# Allegro board RK_EVB7_RK3588_LP4XD200P232SD8_V11_20230111YWQ.brd (continued)
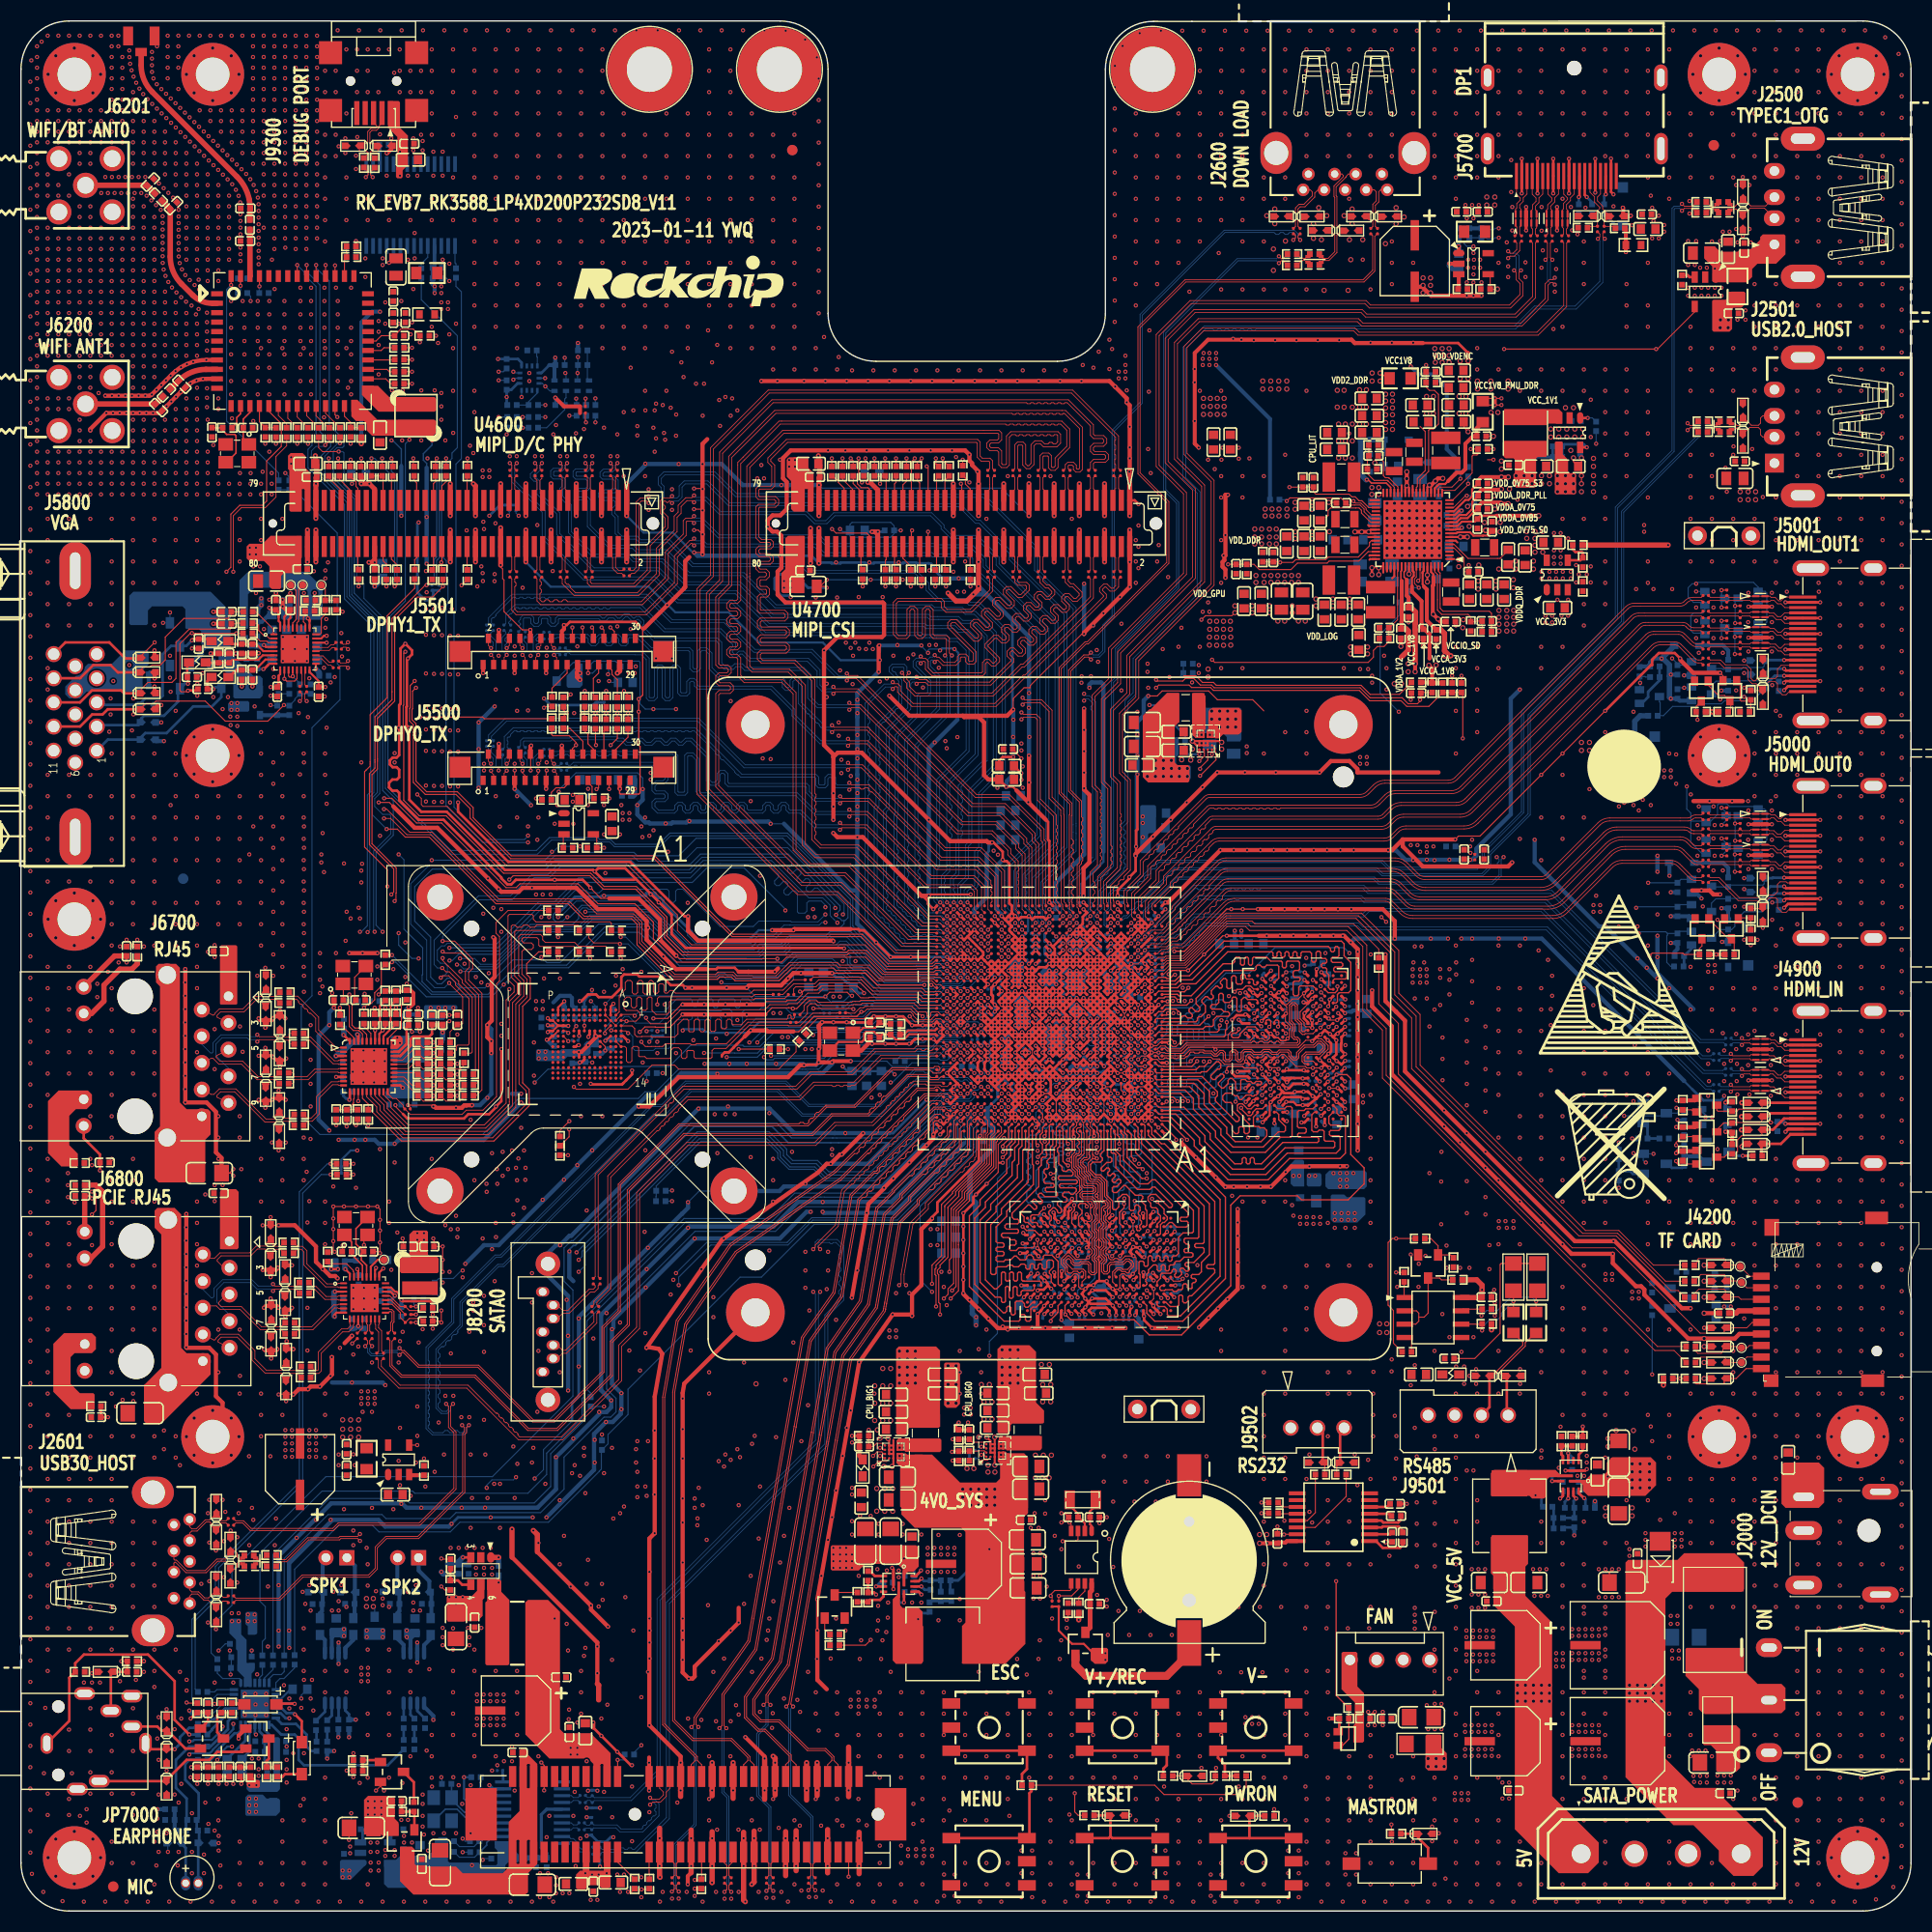
[diagram p0: board, top side]
## Routing (per net, layer and track width the routed paths; a pad name or vN(x,y) marks a point on that pad's centre or on a via; arc(x,y) is an arc through that point) (continued)
DDR_CH0_CLKP_A: length 23.1
  TOP w0.102: U3800.J8 122.53,83.92 122.38,83.92 122.22,83.75 122.05,83.75 121.95,83.86 121.95,84.55 121.56,84.93 121.56,86.28 121.34,86.5 121.03,86.5 120.8,86.27 120.8,84.67 121.13,84.35 121.13,83.93 121.02,83.83 121.02,83.23 121.25,83.01 121.51,83.01 121.61,82.91 121.61,82.76 121.51,82.66 119.91,82.66 119.73,82.84 119.59,82.84 119.41,82.67 119.27,82.67 119.1,82.84 118.95,82.84 118.77,82.66 118.39,82.66 118.21,82.84 118,82.84 117.82,82.66 117.65,82.66 117.47,82.84 117.32,82.84 117.14,82.66 110.97,82.66 110.41,82.1 109.25,82.1 108.97,82.38 108.53,82.38 108.23,82.08 U1000.N2
DDR_CH0_CLKP_B: length 25.5
  TOP w0.102: U3800.P8 122.51,80.69 122.23,80.69 122,80.91 122,81.44 122.37,81.8 123.61,81.8 124,82.19 124,82.35 123.71,82.63 123.55,82.63 123.18,82.27 122.29,82.27 121.69,81.67 121.69,81.27 121.47,81.05 121.12,81.05 120.74,81.42 120.74,81.7 120.64,81.8 119.91,81.8 119.7,81.58 119.12,81.58 118.85,81.85 118.41,81.85 118.14,81.58 117.38,81.58 117.11,81.85 116.56,81.85 116.41,81.7 116.41,81.1 116.18,80.87 115.89,80.87 115.68,81.08 115.68,81.71 115.58,81.81 115.43,81.81 115.33,81.71 115.33,81.11 115.11,80.89 114.72,80.89 114.5,81.11 114.5,81.66 114.4,81.76 114.25,81.76 113.91,81.41 113.6,81.41 113.31,81.7 112.65,81.7 112.55,81.8 112.26,81.8 112.17,81.7 111.79,81.7 111.69,81.8 111.41,81.8 111.29,81.69 111.29,81.59 111.07,81.37 110.98,81.37 110.8,81.19 110.45,81.19 110.39,81.25 110.19,81.25 110.13,81.19 109.81,81.19 109.75,81.25 109.5,81.25 109.44,81.19 109.18,81.19 109.12,81.25 108.92,81.25 108.8,81.12 108.67,81.12 108.46,81.13 108.35,81.23 108.35,81.32 108.24,81.43 U1000.M2
DDR_CH0_DM0_A: length 13.8
  TOP w0.127: U1000.Y4 106.72,86.63 v1(107.04,86.3) ; v1(118.14,88.05) 118.29,88.05 U3800.C3
  L6-S2 w0.089: v1(107.04,86.3) 107.37,85.98 107.89,85.98 108.05,85.82
  L6-S2 w0.127: v1(118.14,88.05) 118.01,87.92 114.47,87.92 111.67,85.13 108.74,85.13 108.05,85.82
DDR_CH0_DM0_B: length 13.7
  TOP w0.127: U3800.Y3 118.24,76.41 117.64,76.41 117.3,76.06 117.3,75.93 117.12,75.76 116.84,75.76 116.21,76.39 v1(116.21,76.49) ; U1000.G4 v1(107.04,77.85)
  L6-S2 w0.089: v1(107.04,77.85) 107.38,78.19 107.85,78.19 108.05,77.99
  L6-S2 w0.127: v1(116.21,76.49) 115.09,76.49 114.1,77.49 112.57,77.49 112.17,77.89 108.15,77.89 108.05,77.99
DDR_CH0_DM1_A: length 25.3
  TOP w0.127: U1000.AB4 v1(107.04,88.25) ; U3800.C10 124.49,87.45 125.16,87.45 125.37,87.67 v1(125.37,88.05)
  L6-S2 w0.089: v1(107.04,88.25) 107.37,88.58 108.25,88.58 108.38,88.71
  L6-S2 w0.127: v1(125.37,88.05) 125.35,88.08 125.35,90.74 124.23,91.86 112.95,91.86 112.33,91.24 110.81,89.72 110.81,89.58 109.93,88.71 108.38,88.71
DDR_CH0_DM1_B: length 22.5
  TOP w0.127: U1000.E4 106.58,76.74 v1(106.39,76.55) ; U3800.Y10 123.82,76.39 v1(123.8,76.39)
  L6-S2 w0.089: v1(106.39,76.55) 107.37,75.58 108.13,75.58 108.15,75.55
  L6-S2 w0.127: 108.15,75.55 109.71,74 111.23,74 111.94,73.29 122.43,73.29 123.72,74.59 123.72,74.97 124.23,75.48 124.23,76.11 123.98,76.36 123.82,76.36 v1(123.8,76.39)
DDR_CH0_DQ0_A: length 18
  TOP w0.127: U3800.B2 117.77,88.32 117.65,88.21 117.47,88.21 117.37,88.31 117.37,88.63 117.25,88.76 116.74,88.76 116.61,88.89 116.61,89.07 116.48,89.19 116.31,89.19 116.18,89.07 116.18,88.74 116.33,88.59 116.33,88.41 116.2,88.28 115.85,88.28 115.72,88.41 115.72,88.94 115.6,89.07 115.42,89.07 115.29,88.94 115.29,87.98 115.16,87.85 114.96,87.85 114.83,87.98 114.83,88.68 114.71,88.8 114.53,88.8 114.23,88.51 114.23,88.35 114.41,88.17 114.41,88.01 114.3,87.9 114.14,87.9 113.96,88.08 113.8,88.08 113.37,87.64 113.37,87.34 113.55,87.16 113.55,86.98 113.42,86.85 113.22,86.85 112.98,87.08 112.8,87.08 112.47,86.74 112.47,86.56 112.8,86.23 112.8,85.59 112.38,85.17 112.17,85.17 112.04,85.04 112.04,84.83 111.89,84.68 U1000.U1
DDR_CH0_DQ0_B: length 16.8
  TOP w0.127: U3800.AA2 117.77,76 117.37,75.61 117.37,74.84 117.5,74.72 117.88,74.72 118.01,74.59 118.39,74.59 118.64,74.34 118.64,73.82 118.09,73.27 115.64,73.27 114.83,74.07 114.83,74.63 112.67,76.79 112.67,77.85 111.69,78.83 U1000.H1
DDR_CH0_DQ1_A: length 13.7
  TOP w0.127: U1000.T2 108.02,84.03 108.34,84.35 112.25,84.35 v1(113.11,85.21) ; v1(115.6,87.54) 115.82,87.77 116.33,87.77 116.66,88.1 117.1,88.1 117.39,87.8 117.74,87.8 U3800.C2
  L6-S2 w0.127: v1(113.11,85.21) 112.8,85.21 112.68,85.33 112.68,85.51 113.34,86.18 113.5,86.18 113.64,86.05 113.79,86.05 113.91,86.16 113.91,86.32 113.77,86.45 113.77,86.61 113.88,86.72 114.04,86.72 114.18,86.59 114.33,86.59 114.44,86.7 114.44,86.86 114.31,86.99 114.31,87.15 114.68,87.52 115.57,87.52 v1(115.6,87.54)
DDR_CH0_DQ1_B: length 18.7
  TOP w0.127: U1000.J2 108.02,79.29 108.14,79.16 112.08,79.16 113.18,78.06 113.18,77 115.34,74.84 115.34,74.34 115.64,74.04 115.85,74.04 115.98,74.16 115.98,74.59 116.08,74.69 116.36,74.69 116.48,74.56 116.48,74.16 116.61,74.04 116.82,74.04 116.99,74.21 116.99,74.92 116.48,75.43 116.48,75.61 115.85,76.24 115.85,76.75 115.98,76.88 116.33,76.88 116.81,76.4 117.15,76.4 117.48,76.73 U3800.Y2
DDR_CH0_DQ2_A: length 18.8
  TOP w0.127: U1000.T1 108.69,84 112.56,84 112.8,84.24 113.44,84.24 113.56,84.37 113.56,84.88 113.89,85.2 114.96,85.2 115.09,85.33 115.09,85.51 114.96,85.64 114.58,85.64 114.33,85.89 113.44,85.89 113.31,86.02 113.31,86.2 113.44,86.33 113.87,86.33 114.07,86.53 114.07,87.26 114.2,87.39 114.38,87.39 114.51,87.26 114.51,86.65 114.63,86.53 115.09,86.53 115.34,86.78 115.34,86.93 115.44,87.04 115.67,87.04 115.8,86.91 115.8,85.76 115.92,85.64 116.1,85.64 116.23,85.76 116.23,86.78 116.46,87.01 116.61,87.01 116.81,86.81 117.64,86.81 117.77,86.68 U3800.E2
DDR_CH0_DQ2_B: length 17.5
  TOP w0.127: U3800.V2 117.77,77.84 117.64,77.71 117.5,77.71 117.4,77.61 117.22,77.61 117.12,77.71 116.68,77.71 116.26,77.28 116.08,77.28 115.98,77.38 115.98,77.51 115.85,77.64 115.6,77.64 115.34,77.89 114.71,77.89 114.45,77.64 114.45,77.26 114.71,77 115.21,77 115.34,76.88 115.34,76.24 116.01,75.57 116.01,75.32 115.89,75.19 115.71,75.19 113.76,77.14 113.76,77.45 113.94,77.64 113.94,78.02 112.48,79.48 U1000.J1
DDR_CH0_DQ3_A: length 15.1
  TOP w0.127: U1000.R2 108.02,83.38 108.34,83.7 113.92,83.7 114.1,83.89 114.1,84.27 v1(114.17,84.34) ; U3800.F2 v1(117.43,85.5)
  L6-S2 w0.127: v1(114.17,84.34) 114.25,84.27 114.99,84.27 115.21,84.5 116.1,84.5 116.58,84.98 116.89,84.98 117.6,84.27 117.6,84.09 117.78,83.91 118.41,83.91 118.52,84.01 118.52,84.42 118.72,84.62 118.72,84.98 118.58,85.12 118.05,85.12 117.69,85.47 117.46,85.47 v1(117.43,85.5)
DDR_CH0_DQ3_B: length 18.9
  TOP w0.127: U3800.U2 118.03,78.68 118.13,78.78 118.13,78.92 118.05,79.01 117.63,79.01 117.46,78.84 117.28,78.84 117.12,79.01 116.77,79.01 116.59,79.19 116.26,79.19 116.17,79.1 116.17,78.24 116.08,78.15 115.82,78.15 115.67,78.3 115.67,78.96 115.33,79.3 115.15,79.3 114.96,79.11 114.96,78.81 114.53,78.38 114.35,78.38 114.03,78.69 114.03,78.87 114.57,79.4 114.57,79.58 114.43,79.72 114.25,79.72 113.72,79.19 113.51,79.19 113.32,79.38 113.32,79.56 113.94,80.18 114.13,80.18 114.26,80.3 114.26,80.67 114.05,80.88 113.87,80.88 112.91,79.92 112.43,79.92 112.31,79.81 108.14,79.81 108.02,79.94 U1000.K2
DDR_CH0_DQ4_A: length 16.1
  TOP w0.127: U1000.W1 108.96,86.27 111.02,86.27 v1(111.46,86.71) ; U3800.F4 v1(119.04,86.15)
  L6-S2 w0.127: v1(111.46,86.71) 111.58,86.71 113.95,89.07 117.12,89.07 117.63,89.58 118.52,89.58 118.9,89.19 119.41,89.19 119.53,89.07 119.53,87.92 119.41,87.8 119.41,86.52 v1(119.04,86.15)
DDR_CH0_DQ4_B: length 13.4
  TOP w0.127: v1(110.13,77.13) 109.73,77.53 U1000.F1 ; U3800.U4 v1(118.98,78.29)
  L6-S2 w0.127: v1(110.13,77.13) 110.13,77.38 110.26,77.51 111.91,77.51 112.42,77 113.94,77 114.83,76.11 117.12,76.11 117.7,76.7 118.34,76.7 118.64,77 118.64,77.96 v1(118.98,78.29)
DDR_CH0_DQ5_A: length 14.4
  TOP w0.127: U3800.E4 v1(119.04,86.8) ; U1000.V2 108.35,85.66 108.81,85.66 109.04,85.89 110.01,85.89 110.26,85.64 v1(110.26,85.51)
  L6-S2 w0.127: v1(110.26,85.51) 110.39,85.64 111.6,85.64 114.26,88.31 117.75,88.31 117.86,88.41 118.41,88.41 118.64,88.18 118.64,87.29 119.04,86.89 v1(119.04,86.8)
DDR_CH0_DQ5_B: length 14.3
  TOP w0.127: v1(111.15,77.13) 111.15,77.16 110.44,77.86 108.33,77.86 U1000.G2 ; U3800.V4 v1(119.02,77.68)
  L6-S2 w0.127: v1(111.15,77.13) 111.79,76.49 113.82,76.49 114.58,75.73 117.25,75.73 117.88,76.37 118.9,76.37 119.41,76.88 119.41,77.3 v1(119.02,77.68)
DDR_CH0_DQ6_A: length 13.1
  TOP w0.127: v1(119.06,88.09) U3800.C4 ; v1(109.25,85.51) 109.25,85.46 109.12,85.33 U1000.V1
  L6-S2 w0.127: v1(119.06,88.09) 118.64,88.5 118.64,88.94 118.47,89.12 117.81,89.12 117.37,88.69 114.1,88.69 111.56,86.15 109.86,86.15 109.25,85.54 v1(109.25,85.51)
DDR_CH0_DQ6_B: length 21
  TOP w0.127: U1000.G1 110.86,78.18 111.66,77.38 111.66,76.36 113.77,74.26 113.77,73.7 115.22,72.25 118.51,72.25 119.96,73.7 120.93,73.7 121.06,73.83 121.06,76.49 120.93,76.62 120.55,76.62 120.33,76.41 119.69,76.41 U3800.Y4
DDR_CH0_DQ7_A: length 18.6
  TOP w0.127: U3800.B4 119.79,88.85 119.79,89.96 119.66,90.08 118.64,90.08 118.46,89.9 118.19,89.9 118.01,90.08 117.75,90.08 117.63,89.96 117.63,89.7 117.5,89.58 114.58,89.58 111.91,86.91 111.91,86.4 112.27,86.05 112.27,85.79 112.14,85.67 111.89,85.67 111.53,86.02 111.4,86.02 111.24,85.86 111.24,85.68 111.55,85.36 111.55,85.18 111.43,85.06 111.1,85.06 110.9,85.26 110.64,85.26 110.38,85 108.14,85 108.02,84.87 U1000.U2
DDR_CH0_DQ7_B: length 18.8
  TOP w0.127: U1000.H2 108.33,78.51 111.29,78.51 112.17,77.64 112.17,76.57 114.27,74.47 114.27,73.92 115.43,72.76 118.3,72.76 119.75,74.21 120.29,74.21 120.42,74.34 120.42,74.73 119.79,75.36 119.79,75.86 119.57,76.08 U3800.AA4
DDR_CH0_DQ8_A: length 27.7
  TOP w0.127: U3800.B11 124.97,88.64 125.09,88.76 126.14,88.76 126.26,88.89 126.26,89.32 126.14,89.45 125.15,89.45 125.02,89.58 125.02,89.78 125.15,89.9 125.76,89.9 125.88,90.03 125.88,90.19 125.74,90.34 124.92,90.34 124.79,90.46 124.79,90.72 124.92,90.85 125.39,90.85 125.52,90.97 125.52,91.72 125.37,91.86 125.21,91.86 125.1,91.75 125.1,91.46 124.99,91.35 124.83,91.35 124.72,91.46 124.72,91.64 124.5,91.86 114.71,91.86 111.53,88.69 110.39,88.69 109.95,88.25 108.34,88.25 U1000.AB2
DDR_CH0_DQ8_B: length 27.8
  TOP w0.127: U1000.D2 108.02,76.23 108.34,75.91 109.96,75.91 112.24,73.62 112.24,73.07 115.17,70.14 118.56,70.14 120.59,72.18 125.25,72.18 125.63,72.56 125.63,73.7 125.5,73.83 124.72,73.83 124.61,73.94 124.61,74.21 124.74,74.34 125.5,74.34 125.63,74.46 125.63,74.72 125.5,74.84 124.74,74.84 124.56,75.03 124.56,75.67 U3800.AA11
DDR_CH0_DQ9_A: length 26.4
  TOP w0.127: U1000.AB1 108.67,87.93 110.14,87.93 110.52,88.31 111.87,88.31 114.92,91.35 119.13,91.35 119.24,91.24 119.24,90.96 119.35,90.85 119.51,90.85 119.62,90.96 119.62,91.24 119.73,91.35 119.89,91.35 120,91.24 120,90.96 120.11,90.85 120.27,90.85 120.38,90.96 120.38,91.24 120.49,91.35 120.65,91.35 120.76,91.24 120.76,90.96 120.87,90.85 121.03,90.85 121.14,90.96 121.14,91.24 121.25,91.35 121.41,91.35 121.52,91.24 121.52,90.96 121.63,90.85 121.79,90.85 121.9,90.96 121.9,91.24 122.02,91.35 122.76,91.35 122.91,91.2 122.91,90.49 123.04,90.36 123.22,90.36 123.34,90.49 123.34,91.28 123.47,91.4 123.65,91.4 123.78,91.28 123.78,90.85 123.9,90.72 124.23,90.72 124.36,90.59 124.36,90.39 124.23,90.26 123.98,90.26 123.85,90.13 123.85,89.96 123.98,89.83 124.23,89.83 124.36,89.7 124.36,89.35 124.56,89.15 124.56,88.18 124.51,88.13 124.51,87.95 124.68,87.78 U3800.C11
DDR_CH0_DQ9_B: length 26.6
  TOP w0.127: U1000.C1 108.67,75.58 109.55,75.58 111.73,73.4 111.73,72.86 114.96,69.64 118.77,69.64 120.8,71.67 125.63,71.67 126.14,72.18 126.14,75.63 126.01,75.76 125.55,75.76 125.32,75.99 125.32,76.38 U3800.Y11
DDR_CH0_DQ10_A: length 26.3
  TOP w0.089: 126.01,90.97 126.01,90.97
  TOP w0.127: 126.01,90.97 126.01,92.12 125.76,92.37 114.58,92.37 111.28,89.07 110.39,89.07 109.9,88.58 108.67,88.58 U1000.AC1 ; 126.01,90.97 126.64,90.34 126.64,87.67 126.43,87.45 125.54,87.45 125.37,87.29 125.37,86.61 125.25,86.48 U3800.E11
DDR_CH0_DQ10_B: length 22.5
  TOP w0.127: v1(111.05,73.45) 109.25,75.25 108.55,75.25 108.22,75.58 U1000.C2 ; U3800.V11 124.98,78.03 v1(125.32,77.68)
  L6-S2 w0.127: v1(111.05,73.45) 111.58,72.91 122.79,72.91 125.64,75.76 125.64,77.37 v1(125.32,77.68)
DDR_CH0_DQ11_A: length 25.6
  TOP w0.127: v1(109.9,89.17) 109.77,89.17 109.42,88.81 109.12,88.81 109.02,88.91 108.35,88.91 U1000.AC2 ; U3800.F11 v1(125.26,86.12)
  L6-S2 w0.127: v1(109.9,89.17) 109.9,89.34 112.9,92.34 124.51,92.34 125.73,91.13 125.73,87.65 125.26,87.17 v1(125.26,86.12)
DDR_CH0_DQ11_B: length 24.2
  TOP w0.127: v1(110.02,73.45) 110.02,73.57 U1000.B1 ; U3800.U11 v1(125.29,79)
  L6-S2 w0.127: v1(125.29,79) 125.76,78.54 125.76,78.02 126.44,77.34 126.44,76.02 122.94,72.53 110.94,72.53 v1(110.02,73.45)
DDR_CH0_DQ12_A: length 22.3
  TOP w0.127: v1(123.73,86.19) U3800.F9 ; U1000.Y1 108.67,86.63 v1(109.19,86.63)
  L6-S2 w0.089: 109.48,86.99 109.19,86.7 v1(109.19,86.63)
  L6-S2 w0.127: v1(123.73,86.19) 123.39,86.53 122.71,86.53 122.58,86.65 122.58,86.91 122.45,87.04 121.95,87.04 121.82,87.16 121.82,88.42 121.71,88.53 121.42,88.53 121.31,88.64 121.31,88.8 121.42,88.91 121.71,88.91 121.82,89.02 121.82,89.18 121.71,89.29 121.42,89.29 121.31,89.4 121.31,89.56 121.42,89.67 121.71,89.67 121.82,89.78 121.82,90.21 121.69,90.34 117.25,90.34 116.74,89.83 113.63,89.83 111.34,87.54 110.52,87.54 110.25,87.28 109.77,87.28 109.48,86.99
DDR_CH0_DQ12_B: length 22.1
  TOP w0.127: U1000.F2 108.02,77.53 v1(108.34,77.2) ; U3800.U9 v1(123.69,78.35)
  L6-S2 w0.127: v1(108.34,77.2) 110.17,75.38 111.51,75.38 111.91,74.97 117.08,74.97 117.38,74.67 118.47,74.67 118.64,74.84 118.97,74.84 119.15,74.67 119.65,74.67 119.78,74.79 119.78,75.05 119.89,75.16 120.05,75.16 120.16,75.05 120.16,74.79 120.28,74.67 121.01,74.67 121.69,75.35 121.69,75.65 121.56,75.78 121.04,75.78 120.93,75.89 120.93,76.05 121.04,76.16 121.45,76.16 121.56,76.27 121.56,77.38 121.86,77.68 122.49,77.68 122.83,78.02 123.36,78.02 v1(123.69,78.35)
DDR_CH0_DQ13_A: length 22.7
  TOP w0.127: U1000.Y2 108.26,86.87 108.34,86.96 108.86,86.96 108.97,87.06 109.87,87.06 v1(110.25,86.69) ; v1(123.07,86.18) U3800.E9
  L6-S2 w0.127: v1(123.07,86.18) 122.91,86.02 121.95,86.02 121.82,85.89 121.82,85.51 121.69,85.38 121.06,85.38 120.93,85.51 120.93,87.37 121.04,87.48 121.33,87.48 121.44,87.59 121.44,87.75 121.33,87.86 121.04,87.86 120.93,87.97 120.93,89.47 120.45,89.96 117.5,89.96 116.99,89.45 113.79,89.45 111.5,87.16 110.69,87.16 110.25,86.71 v1(110.25,86.69)
DDR_CH0_DQ13_B: length 21.2
  TOP w0.127: U3800.V9 v1(123.02,78.38) ; U1000.E1 108.89,76.88 v1(109.1,77.09)
  L6-S2 w0.127: v1(109.1,77.09) 110.43,75.76 110.73,75.76 110.84,75.87 110.84,76.26 110.95,76.37 111.11,76.37 111.22,76.26 111.22,75.87 111.33,75.76 111.76,75.76 112.17,75.35 112.29,75.35 112.4,75.46 112.4,76 112.52,76.11 112.67,76.11 112.79,76 112.79,75.46 112.9,75.35 113.06,75.35 113.17,75.46 113.17,76 113.28,76.11 113.44,76.11 113.55,76 113.55,75.46 113.66,75.35 117.38,75.35 118.04,76.01 119.18,76.01 119.79,76.62 120.68,76.62 120.93,76.88 120.93,78.27 121.06,78.4 123,78.4 v1(123.02,78.38)
DDR_CH0_DQ14_A: length 26.4
  TOP w0.127: U3800.C9 123.04,88.1 121.82,88.1 121.69,87.98 121.69,87.29 121.56,87.16 121.29,87.16 121.16,87.29 121.16,88.44 121.27,88.55 121.71,88.55 121.82,88.66 121.82,88.82 121.71,88.93 121.27,88.93 121.16,89.05 121.16,89.42 121.31,89.58 121.67,89.58 121.77,89.68 121.77,90.34 121.64,90.46 120.62,90.46 120.51,90.35 120.51,89.94 120.4,89.83 120.24,89.83 120.13,89.94 120.13,90.35 120.02,90.46 119.02,90.46 118.64,90.85 117.4,90.85 117.28,90.73 117.28,90.2 117.17,90.08 117.01,90.08 116.9,90.2 116.9,90.73 116.79,90.85 116.63,90.85 116.52,90.73 116.52,90.2 116.41,90.08 116.25,90.08 116.14,90.2 116.14,90.73 116.03,90.85 115.72,90.85 115.6,90.72 115.6,90.41 115.39,90.21 114.5,90.21 111.45,87.16 110.28,87.16 110.13,87.3 108.69,87.3 U1000.AA1
DDR_CH0_DQ14_B: length 29.1
  TOP w0.127: U3800.Y9 123.04,76.4 122.36,76.4 122.2,76.24 121.69,76.24 121.56,76.11 121.56,74.72 121.69,74.59 122.28,74.59 122.4,74.46 122.4,74.21 122.28,74.08 121.69,74.08 121.59,73.98 121.59,73.8 121.69,73.7 123.47,73.7 123.6,73.57 123.6,73.32 123.47,73.19 120.17,73.19 118.14,71.16 117.56,71.16 117.45,71.27 117.45,71.63 117.34,71.74 117.18,71.74 117.07,71.63 117.07,71.27 116.96,71.16 116.8,71.16 116.69,71.27 116.69,71.63 116.58,71.74 116.42,71.74 116.31,71.63 116.31,71.27 116.2,71.16 115.59,71.16 113.26,73.49 113.26,74.05 110.75,76.55 108.34,76.55 108.02,76.88 U1000.E2
DDR_CH0_DQ15_A: length 21.7
  TOP w0.127: v1(123.04,88.66) 123.14,88.66 U3800.B9 ; v1(111.19,87.92) 110.8,87.54 110.32,87.54 110.26,87.6 108.34,87.6 108.02,87.28 U1000.AA2
  L6-S2 w0.127: v1(123.04,88.66) 122.73,88.66 122.61,88.79 122.61,89.09 122.72,89.21 122.85,89.21 122.96,89.32 122.96,89.48 122.85,89.59 122.72,89.59 122.61,89.7 122.61,90.25 122.45,90.4 122.24,90.4 121.91,90.73 116.62,90.73 116.51,90.62 116.51,90.32 116.4,90.21 116.24,90.21 116.13,90.32 116.13,90.62 116.02,90.73 115.86,90.73 115.75,90.62 115.75,90.32 115.64,90.21 115.48,90.21 115.37,90.32 115.37,90.62 115.26,90.73 115.03,90.73 114.92,90.62 114.92,90.32 114.81,90.21 114.65,90.21 114.54,90.32 114.54,90.62 114.42,90.73 114.27,90.73 114.15,90.62 114.15,90.32 114.04,90.21 113.89,90.21 113.77,90.33 113.59,90.33 v1(111.19,87.92)
DDR_CH0_DQ15_B: length 25.6
  TOP w0.127: U1000.D1 108.67,76.23 110.36,76.23 112.75,73.83 112.75,73.28 115.38,70.65 118.35,70.65 120.38,72.68 124.99,72.68 125.12,72.81 125.12,73.19 124.99,73.32 124.23,73.32 124.1,73.45 124.1,74.25 123.98,74.37 123.63,74.37 123.47,74.21 123.09,74.21 122.93,74.36 122.93,75.83 123.18,76.08 U3800.AA9
DDR_CH0_DQS0N_A: length 15.6
  TOP w0.102: v1(107.04,84.35) 106.72,84.68 U1000.U4 ; U3800.E3 118.22,86.13 v1(118.22,86.12)
  L6-S2 w0.097: v1(107.04,84.35) 106.92,84.35 106.82,84.46 106.82,84.6 106.97,84.75 108,84.75 108.37,84.38 113.38,84.38 114.26,85.27 114.26,85.54 114.42,85.7 114.63,85.7 114.73,85.6 114.73,85.48 114.95,85.26 115.42,85.26 115.85,85.69 115.85,86.27 115.72,86.4 115.72,86.61 115.82,86.71 117.29,86.71 117.65,86.34 118.12,86.34 118.22,86.24 v1(118.22,86.12)
DDR_CH0_DQS0N_B: length 16.9
  TOP w0.102: v1(118.19,77.7) 118.52,78.03 U3800.V3 ; U1000.J7 v1(105.09,79.15)
  L6-S2 w0.097: v1(105.09,79.15) 104.97,79.15 104.87,79.05 104.87,78.91 105.05,78.73 105.74,78.73 105.85,78.84 106.29,78.84 106.34,78.78 109.31,78.78 109.31,78.79 109.47,78.79 109.59,78.91 110.16,78.91 110.26,78.81 110.64,78.81 110.74,78.91 111.28,78.91 111.38,78.81 111.65,78.81 111.75,78.91 112.29,78.91 112.39,78.81 112.79,78.81 112.92,78.93 113.47,78.93 113.69,78.71 113.69,78.53 113.79,78.43 113.95,78.43 114.05,78.53 114.05,78.71 114.27,78.93 114.59,78.93 114.83,78.69 114.83,78.12 114.94,78.02 115.47,78.02 115.52,78.07 116.03,78.07 116.29,77.82 117.48,77.82 117.85,77.45 118.02,77.45 118.19,77.63 v1(118.19,77.7)
DDR_CH0_DQS0P_A: length 15.9
  TOP w0.102: U1000.U5 v1(106.39,84.35) ; v1(118.22,86.77) 118.22,86.78 U3800.D3
  L6-S2 w0.097: v1(118.22,86.77) 118.22,86.65 118.12,86.55 117.73,86.55 117.37,86.91 115.73,86.91 115.52,86.69 115.52,86.32 115.65,86.19 115.65,85.77 115.33,85.46 115.03,85.46 114.93,85.56 114.93,85.68 114.71,85.9 114.34,85.9 114.05,85.62 114.05,85.35 113.29,84.59 108.45,84.59 108.09,84.95 106.88,84.95 106.62,84.68 106.62,84.46 106.51,84.35 v1(106.39,84.35)
DDR_CH0_DQS0P_B: length 17.2
  TOP w0.102: v1(118.19,77.05) 118.52,77.38 U3800.W3 ; v1(104.44,79.15) U1000.J8
  L6-S2 w0.097: v1(118.19,77.05) 118,77.25 117.76,77.25 117.4,77.61 116.2,77.61 115.95,77.87 115.6,77.87 115.55,77.82 114.85,77.82 114.63,78.04 114.63,78.6 114.5,78.73 114.36,78.73 114.26,78.63 114.26,78.45 114.04,78.23 113.71,78.23 113.49,78.45 113.49,78.63 113.39,78.73 113,78.73 112.88,78.6 112.31,78.6 112.21,78.7 111.84,78.7 111.74,78.6 111.29,78.6 111.19,78.7 110.82,78.7 110.72,78.6 110.18,78.6 110.08,78.7 109.68,78.7 109.56,78.58 109.4,78.58 109.39,78.58 106.26,78.58 106.2,78.63 105.93,78.63 105.82,78.53 104.96,78.53 104.67,78.82 104.67,79.05 104.56,79.15 v1(104.44,79.15)
DDR_CH0_DQS1N_A: length 24.7
  TOP w0.102: U3800.E10 v1(123.82,86.83) ; U1000.AA4 106.72,87.28 v1(107.04,87.6)
  L6-S2 w0.097: v1(107.04,87.6) 106.96,87.52 106.96,87.26 107.06,87.16 107.72,87.16 108.76,88.2 110.07,88.2 111.11,89.25 111.29,89.25 111.42,89.38 113.39,91.35 122.96,91.35 124.47,89.84 124.47,87.23 124.15,86.91 123.9,86.91 v1(123.82,86.83)
DDR_CH0_DQS1N_B: length 25.1
  TOP w0.102: v1(124.49,77.7) U3800.V10 ; U1000.F4 106.72,77.53 v1(107.04,77.2)
  L6-S2 w0.097: v1(107.04,77.2) 106.92,77.2 106.82,77.1 106.82,76.96 107.21,76.57 108.19,76.57 109.87,74.89 111.32,74.89 111.74,74.46 112.26,74.46 112.47,74.25 112.47,74.02 112.56,73.93 112.69,73.93 112.77,74.02 112.77,74.25 112.98,74.46 113.28,74.46 113.49,74.25 113.49,74.02 113.57,73.93 113.7,73.93 113.79,74.02 113.79,74.25 114,74.46 114.29,74.46 114.5,74.25 114.5,74.02 114.59,73.93 114.72,73.93 114.81,74.02 114.81,74.25 115.01,74.46 115.68,74.46 115.97,74.17 116.11,74.17 116.27,74.34 116.9,74.34 117,74.23 118.22,74.23 118.37,74.08 118.86,74.08 119.02,74.23 122.06,74.23 122.2,74.37 122.2,74.72 122.78,75.3 122.78,76.82 123.39,77.43 124.22,77.43 v1(124.49,77.7)
DDR_CH0_DQS1P_A: length 25.7
  TOP w0.102: U3800.D10 v1(123.82,87.48) ; v1(106.39,87.6) 106.39,87.38 106.29,87.28 U1000.AA5
  L6-S2 w0.097: v1(123.82,87.48) 123.84,87.45 123.84,87.3 123.97,87.17 124.11,87.17 124.27,87.33 124.27,87.63 124.18,87.73 124.18,88 124.27,88.09 124.27,89.76 122.88,91.15 113.48,91.15 111.62,89.3 111.37,89.04 111.19,89.04 110.15,88 108.85,88 108.75,87.91 108.75,87.76 108.54,87.54 108.39,87.54 108.23,87.38 108.23,87.16 108.03,86.96 106.98,86.96 106.71,87.23 106.71,87.8 106.6,87.9 106.49,87.9 106.39,87.8 v1(106.39,87.6)
DDR_CH0_DQS1P_B: length 25.4
  TOP w0.102: v1(124.49,77.05) U3800.W10 ; U1000.F5 v1(106.39,77.2)
  L6-S2 w0.097: v1(106.39,77.2) 106.51,77.2 106.62,77.1 106.62,76.87 107.12,76.37 108.1,76.37 109.79,74.68 111.23,74.68 111.66,74.26 112.18,74.26 112.27,74.17 112.27,73.93 112.47,73.73 112.77,73.73 112.98,73.93 112.98,74.17 113.07,74.26 113.19,74.26 113.28,74.17 113.28,73.93 113.49,73.73 113.79,73.73 113.99,73.93 113.99,74.17 114.08,74.26 114.21,74.26 114.3,74.17 114.3,73.93 114.51,73.73 114.8,73.73 115.01,73.93 115.01,74.17 115.1,74.26 115.6,74.26 115.88,73.97 116.2,73.97 116.36,74.13 116.81,74.13 116.92,74.03 118.14,74.03 118.29,73.88 118.95,73.88 119.1,74.03 122.15,74.03 122.41,74.29 122.41,74.64 122.99,75.22 122.99,76.74 123.48,77.23 124.32,77.23 v1(124.49,77.05)
DDR_CH0_LP4/4X_CKE0/LP5_CS0_A: length 19.1
  TOP w0.089: U1000.P7 v1(105.09,82.4)
  BOTTOM w0.086: v1(105.09,82.4) 105.27,82.4 105.59,82.08 107.95,82.08 108.08,82.21 110.58,82.21 111.06,82.69 111.06,83.89 111.15,83.99 111.53,83.99 111.66,83.86 111.66,83.1 111.79,82.97 112.04,82.97 112.17,83.1 112.17,83.86 112.29,83.99 112.55,83.99 112.67,83.86 112.67,83.07 112.8,82.95 116.31,82.95 116.46,82.79 119.03,82.79 119.13,82.7 R3801.1
DDR_CH0_LP4/4X_CKE0/LP5_CS0_B: length 18.6
  TOP w0.127: U1000.L5 106.07,80.78 106.39,80.45 v1(107.04,80.45)
  BOTTOM w0.086: v1(107.04,80.45) 107.15,80.56 108.42,80.56 108.61,80.37 108.61,78.66 108.74,78.53 109.06,78.53 109.19,78.65 109.19,79.16 109.32,79.29 109.57,79.29 109.7,79.16 109.7,78.65 109.82,78.53 110.01,78.53 110.13,78.65 110.13,79.16 110.26,79.29 110.46,79.29 110.59,79.16 110.59,78.65 110.72,78.53 110.9,78.53 111.02,78.65 111.02,79.16 111.15,79.29 112.42,79.29 112.67,79.54 112.67,80.3 112.8,80.43 113.31,80.43 113.89,81.02 116.05,81.02 116.48,81.45 R3804.1
DDR_CH0_LP4/4X_CKE0_A: length 0.9
  TOP w0.119: U3800.J4 v1(119.66,83.58)
  BOTTOM w0.086: v1(119.66,83.58) 119.66,83.45 R3801.2
DDR_CH0_LP4/4X_CKE0_B: length 1.5
  TOP w0.119: U3800.P4 v1(119.67,80.93)
  BOTTOM w0.086: v1(119.67,80.93) 119.54,80.93 119.02,81.45 R3804.2
DDR_CH0_LP4/4X_CKE1/LP5_CS1_A: length 17.3
  TOP w0.127: v1(105.09,81.75) 104.77,82.08 U1000.N7
  BOTTOM w0.086: R3802.1 119.76,82.29 116.28,82.29 116.13,82.44 112.78,82.44 112.62,82.29 111.42,82.29 110.83,81.7 110.54,81.7 110.41,81.57 110.41,81.19 110.28,81.07 110.03,81.07 109.9,81.19 109.9,81.57 109.77,81.7 108.8,81.7 108.53,81.43 105.58,81.43 105.26,81.75 v1(105.09,81.75)
DDR_CH0_LP4/4X_CKE1/LP5_CS1_B: length 17.5
  TOP w0.127: U1000.L4 v1(107.04,81.1)
  BOTTOM w0.086: R3805.1 119.66,81.57 119.46,81.78 115.98,81.78 115.72,81.52 111.37,81.52 111.02,81.17 111.02,80.56 111.15,80.43 111.79,80.43 111.91,80.3 111.91,79.92 111.79,79.8 109.88,79.8 109.75,79.92 109.75,80.69 109.25,81.19 108.93,81.19 108.84,81.1 v1(107.04,81.1)
DDR_CH0_LP4/4X_CKE1_A: length 0.9
  TOP w0.119: v1(120.47,83.58) U3800.J5
  BOTTOM w0.086: v1(120.47,83.58) 120.17,83.28 R3802.2
DDR_CH0_LP4/4X_CKE1_B: length 1.1
  TOP w0.119: v1(120.47,80.94) U3800.P5
  BOTTOM w0.086: R3805.2 120.19,81.45 120.47,81.16 v1(120.47,80.94)
